# Altium PCB Stabiliser.PCBDOC (part 1 of 8) (continued)
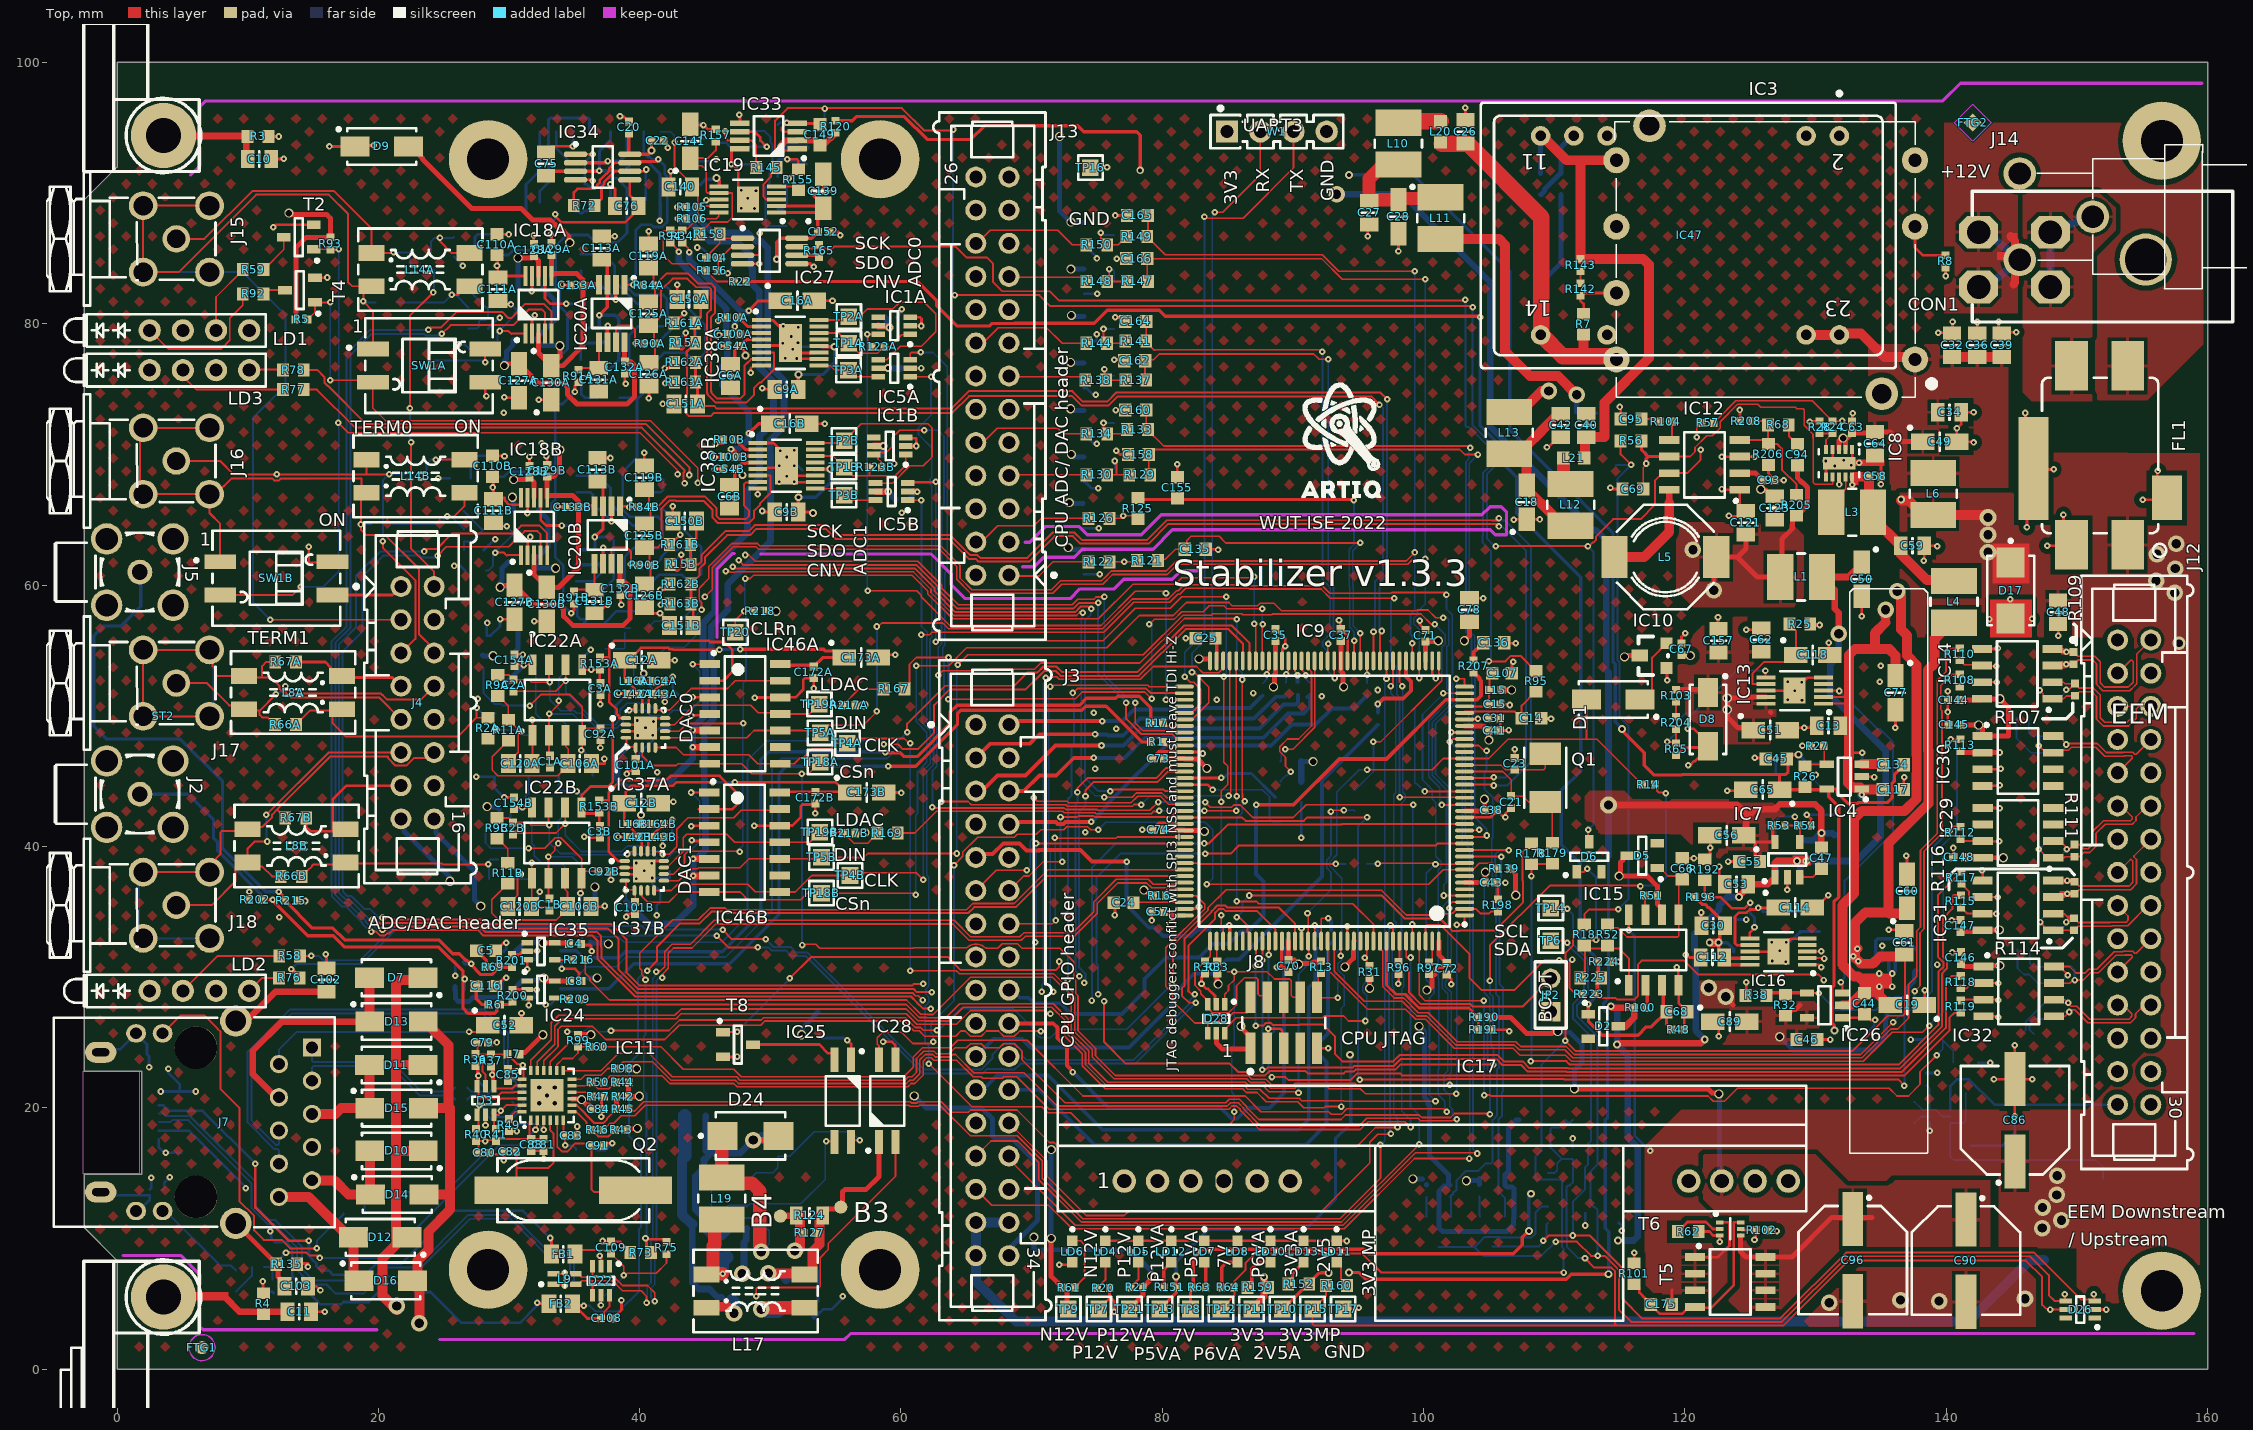
[diagram p0: Top view]
## Classes and differential pairs
net class HV: NetB3_1 NetB4_1 NetC105_2 NetC156_1 NetC156_2 NetIC17_3 NetIC25_3 NetIC25_4 POE_IN1 POE_IN2 POE_IN3 POE_IN4 POE_VC+ POE_VC-
net class SPI: PA0/UART4_TX QSPI_CLK QSPI_IO0 QSPI_IO1 QSPI_IO2 QSPI_IO3 QSPI_NCS SPI1_MISO SPI1_MOSI SPI1_NSS SPI1_SCK
net class Lpower: P2V5A P3V3A P5V0A P12V0A REF_VCC
net class Hpower: GNDF N12V0A N13V0S NetB3_1 NetC105_2 P3V3 P12V0A P12V0F P12V0FIL P12V0POE P13V0S
channel class ADC_1CH: ADC_1CH1 ADC_1CH2
component class ADC_1CH2: C6B C7B C9B C16B C54B C100B C137B C159B IC1B IC5B IC38B R10B R123B TP1B TP2B TP3B
component class ADC_1CH1: C6A C7A C9A C16A C54A C100A C137A C159A IC1A IC5A IC38A R10A R123A TP1A TP2A TP3A
channel class DAC_1CH: DAC_1CH0 DAC_1CH1
component class U_References: C20 C22 C75 C76 C104 C122 C139 C140 C141 C149 C152 C167 C168 IC19 IC27 IC33 IC34 IC42 R34 R72 R94 R105 R106 R120 R145 R154 R155 R156 R157 R158 R165 R219 RN3 RN4
component class U_AUX_Analog_IO: C135 C155 C158 C160 C162 C164 C165 C166 D23 D25 D27 D29 D31 D33 D34 D35 J13 R121 R122 R125 R126 R129 R130 R133 R134 R137 R138 R141 R144 R147 R148 R149 R150
component class EEM_connector: C144 C145 C146 C147 C148 D26 IC14 IC23 IC29 IC30 IC31 IC32 IC36 IC39 IC40 IC41 J12 R107 R108 R109 R110 R111 R112 R113 R114 R115 R116 R117 R118 R119 R173 R174 R175 R194 R195 R196 R197 T9 T10 T11
component class DAC_1CH1: C1B C2B C3B C12B C92B C97B C98B C99B C101B C106B C120B C138B C142B C143B C153B C154_2 C154B C172B C173B D21B IC22B IC37B IC46B L2B L8B L16B L18B R2B R9B R11B R66B R67B R153B R164B R172B R217B RN5B TP4B TP5B TP18B TP19B
component class DAC_1CH0: C1A C2A C3A C12A C92A C97A C98A C99A C101A C106A C120A C138A C142A C143A C153A C154_1 C154A C172A C173A D21A IC22A IC37A IC46A L2A L8A L16A L18A R2A R9A R11A R66A R67A R153A R164A R172A R217A RN5A TP4A TP5A TP18A TP19A
channel class Input_AFE: Input_AFE0 Input_AFE1
component class USB: C108 C109 D22 FB1 FB2 J9 L9 R73 R75 SB1 SB2 SB3 SB4
component class RMII_Ethernet: C52 C79 C80 C81 C82 C83 C84 C85 C87 C88 C91 C102 C103 D3 D7 D10 D11 D12 D13 D14 D15 D16 D24 IC11 J7 L7 Q2 R35 R36 R37 R39 R40 R41 R42 R43 R44 R45 R46 R47 R49 R50 R55 R60 R98 R99 R135 R198 R199 R212 R213 R220 R221 R222
component class Input_AFE1: C110B C111B C113B C119B C124B C125B C126B C127B C128B C129B C130B C131B C132B C133B C150B C151B D19B D20B IC18B IC20B L14B R15B R79B R80B R81B R82B R83B R84B R85B R86B R87B R88B R89B R90B R91B R161B R162B R163B R170B R171B RN1B RN2B SW1B
component class Input_AFE0: C110A C111A C113A C119A C124A C125A C126A C127A C128A C129A C130A C131A C132A C133A C150A C151A D19A D20A IC18A IC20A L14A R15A R79A R80A R81A R82A R83A R84A R85A R86A R87A R88A R89A R90A R91A R161A R162A R163A R170A R171A RN1A RN2A SW1A
component class CPU: C14 C15 C21 C23 C24 C25 C31 C35 C37 C38 C41 C43 C57 C67 C70 C71 C72 C73 C74 C78 C107 C136 D1 D28 IC9 IC10 J8 JP2 L15 Q1 R12 R13 R14 R16 R30 R31 R33 R95 R96 R97 R128 R131 R132 R136 R167 R169 R176 R177 R178 R179 R180 R181 R182 R183 R185 R186 R187 R188 R189 R207
component class Supply_Stabiliser: B3 B4 C13 C18 C19 C26 C27 C28 C29 C30 C32 C33 C34 C36 C39 C40 C42 C44 C45 C46 C47 C48 C49 C50 C51 C53 C55 C56 C58 C59 C60 C61 C62 C63 C64 C65 C66 C68 C69 C77 C86 C89 C90 C93 C94 C95 C96 C105 C112 C114 C115 C117 C118 C121 C123 C134 C156 C157 C169 C170 C171 C174 C175 CON1 D2 D4 D5 D6 D8 D9 D17 D18 FL1 IC3 IC4 IC7 IC8 IC12 IC13 IC15 IC16 IC17 IC25 IC26 IC28 IC43 IC44 IC45 IC47 J14 L1 L3 L4 L5 L6 L10 L11 L12 L13 L17 L19 L20 L21 LD4 LD5 LD6 LD7 LD8 LD10 LD11 LD12 LD13 R7 R8 R18 R19 R20 R21 R22 R24 R25 R26 R27 R28 R29 R32 R38 R48 R51 R52 R53 R54 R56 R57 R61 R62 R63 R64 R65 R68 R100 R101 R102 R103 R104 R124 R127 R139 R140 R142 R143 R146 R151 R152 R159 R160 R166 R168 R184 R190 R191 R192 R193 R204 R205 R206 R208 R210 R211 R223 R224 R225 R226 R227 T5 T6 T7 T8 TP7 TP8 TP9 TP10 TP11 TP12 TP13 TP16 TP17 TP21
component class Stabilizer: C4 C5 C8 C10 C11 C17 C116 C161 C163 D30 FTG1 FTG2 FTG3 FTG4 IC2 IC6 IC21 IC24 IC35 IC48 J2 J3 J4 J5 J15 J16 J17 J18 LD1 LD2 LD3 R1 R3 R4 R5 R6 R17 R23 R58 R59 R69 R70 R71 R74 R76 R77 R78 R92 R93 R200 R201 R202 R203 R209 R214 R215 R216 R218 ST2 T1 T2 T3 T4 TP6 TP14 TP15 TP20 W1 WASHER2 WASHER4 WASHER6 WASHER8
differential pair TD: +TD_P -TD_N
differential pair RD: +RD_P -RD_N
differential pair INB: +INB_P -INB_N
differential pair INA: +INA_P -INA_N
differential pair USBJ: +USBJ_P -USBJ_N
differential pair USB: +USB_P -USB_N
differential pair DAC_1: +DAC_1_P -DAC_1_N
differential pair DAC_0: +DAC_0_P -DAC_0_N
differential pair PHY_TD: +PHY_TD_P -PHY_TD_N
differential pair PHY_RD: +PHY_RD_P -PHY_RD_N
differential pair LVDS7: +LVDS7_P -LVDS7_N
differential pair LVDS6: +LVDS6_P -LVDS6_N
differential pair LVDS5: +LVDS5_P -LVDS5_N
differential pair LVDS4: +LVDS4_P -LVDS4_N
differential pair LVDS3: +LVDS3_P -LVDS3_N
differential pair LVDS2: +LVDS2_P -LVDS2_N
differential pair LVDS1: +LVDS1_P -LVDS1_N
differential pair LVDS0: +LVDS0_P -LVDS0_N

## Components (designator, comment, footprint, x,y, rotation, side; value= is the part's Value field where it differs from the comment)
B3 "SMD Pad" C100 55.398,12.396 r0 top
B4 "SMD Pad" C100 50.775,11.709 r0 top
C1A "3.3pF" CAPC1005X55N 33.152,46.49 r270 top (schematic designator C1)
C1B "3.3pF" CAPC1005X55N 33.107,35.552 r270 top (schematic designator C1)
C2A "10pF" CAPC1005X55N 30.353,52.32 r90 top (schematic designator C2)
C2B "10pF" CAPC1005X55N 30.308,41.382 r90 top (schematic designator C2)
C3A "10pF" CAPC1005X55N 37.002,52.06 r270 top (schematic designator C3)
C3B "10pF" CAPC1005X55N 36.957,41.122 r270 top (schematic designator C3)
C4 "100nF" CAPC1005X55N 35.05,32.536 r180 top
C5 "Undefined" CAPC1608X90N 28.247,32.023 r180 top
C6A "10uF" CAPC2012X95N 46.965,76.014 r90 top (schematic designator C6)
C6B "10uF" CAPC2012X95N 46.888,66.766 r90 top (schematic designator C6)
C7A "100nF" CAPC1005X55N 59.197,80.5 r180 bottom (schematic designator C7)
C7B "100nF" CAPC1005X55N 59.011,69.988 r180 bottom (schematic designator C7)
C8 "100nF" CAPC1005X55N 35.112,29.695 r180 top
C9A "10uF" CAPC2012X95N 51.246,74.986 r0 top (schematic designator C9)
C9B "10uF" CAPC2012X95N 51.25,65.593 r0 top (schematic designator C9)
C10 "Undefined" CAPC2012X135N 10.897,92.608 r0 top
C11 "Undefined" CAPC2012X135N 13.945,4.394 r0 top
C12A "10uF" CAPMP3216X180N 40.158,54.248 r0 top (schematic designator C12)
C12B "10uF" CAPMP3216X180N 40.113,43.31 r0 top (schematic designator C12)
C13 "22uF" CAPC2012X135N 130.988,49.241 r0 top
C14 "2.2uF" CAPC1608X90N 108.25,49.8 r180 top
C15 "100nF" CAPC1005X55N 105.449,50.871 r0 top
C16A "10uF" CAPMP3216X180N 52.077,81.776 r0 top (schematic designator C16)
C16B "10uF" CAPMP3216X180N 51.5,72.358 r0 top (schematic designator C16)
C17 "100nF" CAPC1005X55N 111.42,16.537 r270 bottom
C18 "10uF" CAPMP3216X180N 107.885,66.343 r90 top
C19 "10uF" CAPMP3216X180N 137,27.871 r180 top
C20 "100nF" CAPC1005X55N 39.171,95.025 r270 top
C21 "22pF" CAPC1005X55N 106.699,43.4 r90 top
C22 "100nF" CAPC1005X55N 41.363,94.001 r180 top
C23 "22pF" CAPC1005X55N 106.974,46.324 r270 top
C24 "2.2uF" CAPC1608X90N 77.048,35.684 r180 top
C25 "2.2uF" CAPC1608X90N 83.325,55.927 r180 top
C26 "22uF" CAPC2012X135N 103.2,94.691 r270 top
C27 "22uF" CAPC2012X135N 95.828,88.5 r90 top
C28 "10uF" CAPMP3216X180N 98.074,88.2 r270 top
C29 "1uF" CAPC1608X87N 112.434,73.191 r180 bottom
C30 "22uF" CAPC2012X135N 122.162,33.936 r0 top
C31 "100nF" CAPC1005X55N 105.409,49.8 r0 top
C32 "22uF" CAPC2012X135N 140.441,78.356 r270 top
C33 "4.7nF" CAPC3216X140N 52.693,6.891 r180 bottom
C34 "22uF" CAPC2012X135N 140.25,73.226 r180 top
C35 "100nF" CAPC1005X55N 88.659,56.175 r90 top
C36 "22uF" CAPC2012X135N 142.376,78.356 r270 top
C37 "100nF" CAPC1005X55N 93.659,56.175 r90 top
C38 "100nF" CAPC1005X55N 105.159,42.774 r0 top
C39 "22uF" CAPC2012X135N 144.241,78.356 r270 top
C40 "22uF" CAPC2012X135N 112.454,72.226 r270 top
C41 "100nF" CAPC1005X55N 105.409,48.871 r0 top
C42 "22uF" CAPC2012X135N 110.5,72.226 r90 top
C43 "100nF" CAPC1005X55N 105.159,37.227 r0 top
C44 "1uF" CAPC1608X87N 133.731,27.965 r90 top
C45 "1uF" CAPC1608X87N 126.992,46.696 r0 top
C46 "1uF" CAPC1608X87N 129.337,25.222 r180 top
C47 "10nF" CAPC1608X87N 130.442,39.096 r90 top
C48 "22uF" CAPC2012X135N 148.559,57.921 r90 top
C49 "10uF" CAPMP3216X180N 139.5,70.976 r0 top
C50 "10uF" CAPMP3216X180N 133.542,60.452 r270 top
C51 "10uF" CAPMP3216X180N 126.542,48.903 r0 top
C52 "10uF" CAPMP3216X180N 29.656,26.32 r0 top
C53 "22uF" CAPC2012X135N 123.942,37.096 r0 top
C54A "100nF" CAPC1005X55N 47.172,78.291 r0 top (schematic designator C54)
C54B "100nF" CAPC1005X55N 46.871,68.883 r0 top (schematic designator C54)
C55 "1uF" CAPC1608X87N 124.942,38.846 r0 top
C56 "10uF" CAPMP3216X180N 123.192,40.846 r180 top
C57 "100nF" CAPC1005X55N 79.633,35.002 r180 top
C58 "100nF" CAPC1005X55N 134.55,68.328 r180 top
C59 "22uF" CAPC2012X135N 137.414,63.017 r180 top
C60 "10uF" CAPMP3216X180N 137,36.561 r90 top
C61 "22uF" CAPC2012X135N 136.779,32.627 r270 top
C62 "22uF" CAPC2012X135N 125.848,55.801 r270 top
C63 "100nF" CAPC1005X55N 132.8,72.078 r270 top
C64 "22uF" CAPC2012X135N 134.55,70.828 r90 top
C65 "10uF" CAPMP3216X180N 125.942,44.346 r180 top
C66 "1uF" CAPC1608X87N 119.792,38.296 r270 top
C67 "100nF" CAPC1005X55N 119.736,55.096 r90 top
C68 "1uF" CAPC1608X87N 119.39,27.348 r180 top
C69 "1uF" CAPC1608X87N 116.021,67.353 r0 top
C70 "100nF" CAPC1005X55N 89.657,30.85 r270 top
C71 "100nF" CAPC1005X55N 100.129,56.125 r90 top
C72 "100nF" CAPC1005X55N 101.774,30.644 r270 top
C73 "100nF" CAPC1005X55N 79.683,46.727 r180 top
C74 "100nF" CAPC1005X55N 79.683,41.274 r180 top
C75 "47nF" CAPC2012X135N 32.834,92.236 r270 top
C76 "47nF" CAPC2012X135N 39.011,89.015 r0 top
C77 "10uF" CAPMP3216X180N 136.119,51.765 r270 top
C78 "10uF" CAPC2012X95N 103.5,58.098 r270 top
C79 "100nF" CAPC1005X55N 27.965,24.987 r0 top
C80 "100nF" CAPC1005X55N 28.098,16.545 r180 top
C81 "100nF" CAPC1005X55N 32.655,17.151 r90 top
C82 "30pF" CAPC1005X55N 30.067,16.641 r0 top
C83 "1nF" CAPC1005X55N 34.747,17.856 r180 top
C84 "100nF" CAPC1005X55N 36.82,19.895 r180 top
C85 "100nF" CAPC1005X55N 29.921,22.521 r270 top
C86 "220uF" CAPAE830X620N 145.25,19.045 r90 top
C87 "1uF" CAPC1608X87N 35.941,16.764 r180 bottom
C88 "100nF" CAPC1005X55N 31.705,17.151 r90 top
C89 "10uF" CAPMP3216X180N 123.442,26.596 r0 top
C90 "220uF" CAPAE830X620N 141.5,8.306 r270 top
C91 "30pF" CAPC1005X55N 36.77,17.094 r180 top
C92A "100nF" CAPC1005X55N 37.002,48.585 r90 top (schematic designator C92)
C92B "100nF" CAPC1005X55N 37.301,38.073 r180 top (schematic designator C92)
C93 "100nF" CAPC1005X55N 126.416,68.025 r180 top
C94 "150pF" CAPC1608X87N 128.6,69.99 r270 top
C95 "3.9nF" CAPC1608X87N 115.875,72.703 r0 top
C96 "220uF" CAPAE830X620N 132.842,8.336 r270 top
C97A "10uF" CAPMP3216X180N 35.096,45.419 r0 bottom (schematic designator C97)
C97B "10uF" CAPMP3216X180N 33.567,35.25 r0 bottom (schematic designator C97)
C98A "10uF" CAPMP3216X180N 29.607,56.136 r180 bottom (schematic designator C98)
C98B "10uF" CAPMP3216X180N 30.196,45.322 r180 bottom (schematic designator C98)
C99A "10uF" CAPMP3216X180N 42.938,50.322 r270 bottom (schematic designator C99)
C99B "10uF" CAPMP3216X180N 42.893,39.384 r270 bottom (schematic designator C99)
C100A "100nF" CAPC1005X55N 47.177,79.202 r0 top (schematic designator C100)
C100B "100nF" CAPC1005X55N 46.876,69.794 r0 top (schematic designator C100)
C101A "100nF" CAPC1005X55N 39.698,46.232 r90 top (schematic designator C101)
C101B "100nF" CAPC1005X55N 39.653,35.294 r90 top (schematic designator C101)
C102 "Undefined" CAPC2012X135N 16.03,29.78 r90 top
C103 "Undefined" CAPC2012X135N 13.716,6.35 r0 top
C104 "100nF" CAPC1005X55N 45.55,85.037 r0 top
C105 "4.7nF" CAPC3216X140N 52.146,4.547 r180 bottom
C106A "220pF" CAPC2013X100N 35.427,46.335 r180 top (schematic designator C106)
C106B "220pF" CAPC2013X100N 35.382,35.397 r180 top (schematic designator C106)
C107 "2.2uF" CAPC1608X90N 106.009,53.246 r180 top
C108 "100nF" CAPC1005X55N 37.5,3.875 r180 top
C109 "100nF" CAPC1005X55N 37.807,9.302 r270 top
C110A "18pF" CAPC1608X87N 29.081,86.064 r270 top (schematic designator C110)
C110B "18pF" CAPC1608X87N 28.747,69.099 r270 top (schematic designator C110)
C111A "82pF" CAPC2012X90N 29.151,82.644 r90 top (schematic designator C111)
C111B "82pF" CAPC2012X90N 28.817,65.679 r90 top (schematic designator C111)
C112 "22uF" CAPC2012X135N 122.106,31.506 r0 top
C113A "47nF" CAPC2012X135N 37.105,85.795 r270 top (schematic designator C113)
C113B "47nF" CAPC2012X135N 36.77,68.831 r270 top (schematic designator C113)
C114 "10uF" CAPMP3216X180N 128.446,35.325 r0 top
C115 "10uF" CAPMP3216X180N 123.723,33.249 r90 bottom
C116 "Undefined" CAPC1608X90N 28.247,29.321 r180 top
C117 "1uF" CAPC1608X87N 135.942,44.346 r180 top
C118 "10uF" CAPMP3216X180N 129.795,54.654 r0 top
C119A "2.2nF" CAPC2013X100N 40.692,85.189 r270 top (schematic designator C119)
C119B "2.2nF" CAPC2013X100N 40.358,68.224 r270 top (schematic designator C119)
C120A "220pF" CAPC2013X100N 30.852,46.335 r0 top (schematic designator C120)
C120B "220pF" CAPC2013X100N 30.807,35.397 r0 top (schematic designator C120)
C121 "22uF" CAPC2012X135N 124.663,64.767 r270 top
C122 "10uF" CAPC2012X95N 44.653,91.542 r270 bottom
C123 "22uF" CAPC2012X135N 126.884,65.893 r90 top
C124A "18pF" CAPC1608X87N 27.766,78.074 r0 bottom (schematic designator C124)
C124B "18pF" CAPC1608X87N 27.432,61.11 r0 bottom (schematic designator C124)
C125A "2.2nF" CAPC2013X100N 40.692,80.754 r90 top (schematic designator C125)
C125B "2.2nF" CAPC2013X100N 40.358,63.789 r90 top (schematic designator C125)
C126A "2.2nF" CAPC2013X100N 40.714,76.143 r270 top (schematic designator C126)
C126B "2.2nF" CAPC2013X100N 40.379,59.178 r270 top (schematic designator C126)
C127A "10uF" CAPMP3216X180N 30.761,75.643 r270 top (schematic designator C127)
C127B "10uF" CAPMP3216X180N 30.427,58.678 r270 top (schematic designator C127)
C128A "100nF" CAPC1005X55N 31.901,85.639 r270 top (schematic designator C128)
C128B "100nF" CAPC1005X55N 31.567,68.674 r270 top (schematic designator C128)
C129A "100nF" CAPC1005X55N 33.261,85.714 r270 top (schematic designator C129)
C129B "100nF" CAPC1005X55N 32.927,68.749 r270 top (schematic designator C129)
C130A "10uF" CAPMP3216X180N 33.236,75.489 r90 top (schematic designator C130)
C130B "10uF" CAPMP3216X180N 32.902,58.524 r90 top (schematic designator C130)
C131A "47nF" CAPC2012X135N 36.88,75.714 r90 top (schematic designator C131)
C131B "47nF" CAPC2012X135N 36.545,58.749 r90 top (schematic designator C131)
C132A "100nF" CAPC1005X55N 38.867,76.668 r90 top (schematic designator C132)
C132B "100nF" CAPC1005X55N 38.533,59.703 r90 top (schematic designator C132)
C133A "100nF" CAPC1005X55N 35.207,82.939 r0 top (schematic designator C133)
C133B "100nF" CAPC1005X55N 34.872,65.974 r0 top (schematic designator C133)
C134 "10nF" CAPC1608X87N 135.957,46.253 r0 top
C135 "82pF" CAPC1608X87N 82.525,62.747 r180 top
C136 "150pF" CAPC1608X87N 105.356,55.592 r0 top
C137A "100nF" CAPC1005X55N 53.391,78.232 r0 bottom (schematic designator C137)
C137B "100nF" CAPC1005X55N 52.89,68.809 r0 bottom (schematic designator C137)
C138A "10uF" CAPMP3216X180N 40.234,45.771 r90 bottom (schematic designator C138)
C138B "10uF" CAPMP3216X180N 40.278,35.764 r0 bottom (schematic designator C138)
C139 "10uF" CAPMP3216X180N 54.046,90.13 r90 top
C140 "10uF" CAPC2012X95N 43.109,90.476 r0 top
C141 "10uF" CAPMP3216X180N 43.873,93.98 r90 top
C142A "100nF" CAPC1005X55N 39.517,51.65 r0 top (schematic designator C142)
C142B "100nF" CAPC1005X55N 39.473,40.712 r0 top (schematic designator C142)
C143A "100nF" CAPC1005X55N 41.448,51.65 r180 top (schematic designator C143)
C143B "100nF" CAPC1005X55N 41.403,40.712 r180 top (schematic designator C143)
C144 "100nF" CAPC1005X55N 140.576,51.206 r0 top
C145 "100nF" CAPC1005X55N 140.626,49.296 r0 top
C146 "100nF" CAPC1005X55N 141.127,31.472 r270 top
C147 "100nF" CAPC1005X55N 141.086,33.921 r270 top
C148 "100nF" CAPC1005X55N 140.985,39.176 r0 top
C149 "1uF" CAPC1608X87N 53.8,94.461 r270 top
C150A "2.2nF" CAPC2013X100N 43.777,81.869 r0 top (schematic designator C150)
C150B "2.2nF" CAPC2013X100N 43.443,64.904 r0 top (schematic designator C150)
C151A "2.2nF" CAPC2013X100N 43.527,73.864 r0 top (schematic designator C151)
C151B "2.2nF" CAPC2013X100N 43.193,56.899 r0 top (schematic designator C151)
C152 "100nF" CAPC1005X55N 54.085,87.03 r180 top
C153A "10uF" CAPC2012X95N 39.748,56.717 r0 bottom (schematic designator C153)
C153B "10uF" CAPC2012X95N 40.648,54.593 r0 bottom (schematic designator C153)
C154A "100nF" CAPC1005X55N 30.416,54.248 r270 top (schematic designator C154)
C154B "100nF" CAPC1005X55N 30.371,43.31 r270 top (schematic designator C154)
C155 "82pF" CAPC1608X87N 81.153,67.462 r270 top
C156 "4.7nF" CAPC3216X140N 46.282,6.997 r90 bottom
C157 "22uF" CAPC2012X135N 122.576,55.74 r270 top
C158 "82pF" CAPC1608X87N 78.175,69.995 r0 top
C159A "100nF" CAPC1005X55N 60.427,76.6 r180 bottom (schematic designator C159)
C159B "100nF" CAPC1005X55N 60.027,66.548 r180 bottom (schematic designator C159)
C160 "82pF" CAPC1608X87N 77.975,73.4 r0 top
C161 "100nF" CAPC1005X55N 30.042,31.957 r0 bottom
C162 "82pF" CAPC1608X87N 77.9,77.174 r0 top
C163 "100nF" CAPC1005X55N 29.94,29.1 r0 bottom
C164 "82pF" CAPC1608X87N 77.963,80.189 r0 top
C165 "390pF" CAPC1608X87N 78.1,88.291 r0 top
C166 "390pF" CAPC1608X87N 78.05,84.991 r0 top
C167 "10uF" CAPC2012X95N 51.25,88.376 r270 bottom
C168 "1uF" CAPC1608X87N 43.898,94.951 r270 bottom
C169 "1uF" CAPC1608X87N 127.892,45.474 r0 bottom
C170 "10nF" CAPC1608X87N 137.674,31.318 r270 bottom
C171 "1uF" CAPC1608X87N 131.445,41.671 r270 bottom
C172A "100nF" CAPC1005X55N 53.325,53.333 r90 top (schematic designator C172)
C172B "100nF" CAPC1005X55N 53.447,43.727 r90 top (schematic designator C172)
C173A "10uF" CAPMP3216X180N 56.952,54.46 r0 top (schematic designator C173)
C173B "10uF" CAPMP3216X180N 57.379,44.13 r0 top (schematic designator C173)
C174 "1uF" CAPC1608X87N 134.55,25.545 r0 bottom
C175 "100nF" CAPC1608X87N 118.199,4.96 r0 top
CON1 "MRX56904CV" MRX56904CV 147.971,87.016 r90 top
D1 "SS16" DIOM5127X229N 114.51,51.238 r180 top
D2 "BAV199" SOT95P240X110-3N 113.748,26.223 r0 top
D3 "DRTR5V0U4S-7" SOT65P210X110-6N 28.195,20.555 r90 top
D4 "BAV199" SOT95P240X110-3N 115.875,69.203 r180 bottom
D5 "BAV199" SOT95P240X110-3N 116.739,39.301 r180 top
D6 "BAV199" SOT95P240X110-3N 112.664,39.209 r90 top
D7 "SS16" DIOM5127X229N 21.377,29.95 r180 top
D8 "SS16" DIOM5127X229N 121.76,49.727 r270 top
D9 "SS16" DIOM5127X229N 20.261,93.571 r0 top
D10 "SS16" DIOM5127X229N 21.396,16.701 r180 top
D11 "SS16" DIOM5127X229N 21.377,23.265 r180 top
D12 "SS16" DIOM5127X229N 20.147,10.084 r180 top
D13 "SS16" DIOM5127X229N 21.396,26.596 r0 top
D14 "SS16" DIOM5127X229N 21.451,13.36 r0 top
D15 "SS16" DIOM5127X229N 21.401,19.965 r0 top
D16 "SS16" DIOM5127X229N 20.567,6.756 r0 top
D17 "SMBJ15A" DIOM5336X265N 144.924,59.585 r270 top
D18 "SS16" DIOM5127X229N 109.366,19.075 r180 bottom
D19A "BAV199" SOT95P240X110-3N 31.639,83.874 r90 bottom (schematic designator D19)
D19B "BAV199" SOT95P240X110-3N 31.304,66.909 r90 bottom (schematic designator D19)
D20A "BAV199" SOT95P240X110-3N 31.243,79.909 r90 bottom (schematic designator D20)
D20B "BAV199" SOT95P240X110-3N 30.909,62.944 r90 bottom (schematic designator D20)
D21A "BAV199" SOT95P240X110-3N 28.981,51.309 r270 bottom (schematic designator D21)
D21B "BAV199" SOT95P240X110-3N 29.157,40.159 r270 bottom (schematic designator D21)
D22 "DRTR5V0U4S-7" SOT65P210X110-6N 37.038,6.756 r270 top
D23 "BAV199" SOT95P240X110-3N 75.15,61.777 r0 bottom
D24 "SMBJ60A" DIOM5336X265N 48.488,17.845 r0 top
D25 "BAV199" SOT95P240X110-3N 75.075,65.306 r0 bottom
D26 "DRTR5V0U4S-7" SOT65P210X110-6N 150.259,4.558 r180 top
D27 "BAV199" SOT95P240X110-3N 75.15,68.862 r0 bottom
D28 "DRTR5V0U4S-7" SOT65P210X110-6N 84.131,26.819 r270 top
D29 "BAV199" SOT95P240X110-3N 75.15,72.412 r0 bottom
D30 "DRTR5V0U4S-7" SOT65P210X110-6N 25.882,30.096 r270 bottom
D31 "BAV199" SOT95P240X110-3N 75.15,76.034 r0 bottom
D33 "BAV199" SOT95P240X110-3N 75.175,79.605 r0 bottom
D34 "BAV199" SOT95P240X110-3N 75.175,86.791 r0 bottom
D35 "BAV199" SOT95P240X110-3N 75.175,83.241 r0 bottom
FB1 "220R@100MHz" INDC2012X105N 34.15,8.799 r180 top
FB2 "220R@100MHz" INDC2012X105N 33.972,5 r180 top
FL1 "10A/50VDC" FIL_MURATA_BNX02 151.779,69.928 r270 top
FTG1 "Use only in PCB" FIDUCIAL_TOP_C100-200 6.5,1.646 r90 top
FTG2 "Use only in PCB" FIDUCIAL_TOP_S100-200 142.032,95.402 r90 top
FTG3 "Use only in PCB" FIDUCIAL_TOP_S100-200 14.5,94 r90 bottom
FTG4 "Use only in PCB" FIDUCIAL_TOP_S100-200 148.296,18.028 r90 bottom
IC1A "SN74AUC2G34DCKR" DCK0006A_M 59.476,79.854 r180 top (schematic designator IC1)
IC1B "SN74AUC2G34DCKR" DCK0006A_M 59.131,70.647 r180 top (schematic designator IC1)
IC2 "SN74LVC1G125DCKT" SOT65P210X110-5N 32.842,32.023 r180 bottom
IC3 "CC6-1212DF-E" CC6-1212DF-E 135.07,74.646 r180 top locked
IC4 "LT1761ES5-BYP#TRMPBF" SOT95P280X100-5N 132.192,45.346 r180 top
IC5A "SN74AUC2G34DCKR" DCK0006A_M 59.476,76.6 r180 top (schematic designator IC5)
IC5B "SN74AUC2G34DCKR" DCK0006A_M 59.284,67.158 r180 top (schematic designator IC5)
IC6 "24AA02E48T-I/OT" SOT95P280X145-5N 112.37,13.233 r90 bottom
IC7 "LT1761ES5-BYP#TRMPBF" SOT95P280X100-5N 127.842,38.995 r90 top
IC8 "TPS62175DQC" SON50P200X300X80-11N-R94X250 131.8,69.328 r270 top
IC9 "STM32H743ZIT6" TSQFP50P2200X2200X160-144N 92.409,43.477 r180 top locked
IC10 "STM809SWX6F" SOT-23 118.588,53.646 r90 top
IC11 "LAN8742A-CZ-TR" QFN24_0R5_4X4 32.905,20.945 r90 top
IC12 "NCP3170ADR2G" SOIC127P600X175-8N 121.499,69.203 r180 top
IC13 "LT3042EMSE#PBF" SOP50P490X110-11N-R168X198 128.391,51.923 r180 top
IC14 "FIN1028MX" SOIC127P600X175-8N 145.432,53.206 r180 top
IC15 "LM393AD" SOIC127P600X175-8N 117.609,32.079 r90 top
IC16 "LT3042EMSE#PBF" SOP50P490X110-11N-R168X198 127.162,31.948 r180 top
IC17 "AG5300" SILVERTEL_AG5300 102.5,14.391 r0 top locked
IC18A "AD8250ARMZ" SOP50P490X110-10N 32.261,81.459 r90 top (schematic designator IC18)
IC18B "AD8250ARMZ" SOP50P490X110-10N 31.927,64.495 r90 top (schematic designator IC18)
IC19 "LT3042EMSE#PBF" SOP50P490X110-11N-R168X198 48.287,89.515 r180 top
IC20A "OPA2197IDGKR" SOP65P490X110-8N 37.855,80.801 r270 top (schematic designator IC20)
IC20B "OPA2197IDGKR" SOP65P490X110-8N 37.52,63.836 r270 top (schematic designator IC20)
IC21 "SN74LVC1G125DCKT" SOT65P210X110-5N 32.842,29.1 r180 bottom
IC22A "OPA2197ID" SOIC127P600X175-8N 33.702,51.21 r90 top (schematic designator IC22)
IC22B "OPA2197ID" SOIC127P600X175-8N 33.657,40.272 r90 top (schematic designator IC22)
IC23 "FIN1027AMX" SOIC127P600X175-8N 145.432,53.206 r0 bottom
IC24 "74LVC1G14GW" SOT65P212X110-5N 32.444,29.045 r0 top
IC25 "ACPL-217-500E" SOIC127P700X242-4N 55.55,20.524 r270 top
IC26 "LT1964ES5-SD#TRMPBF" SOT95P280X100-5N 130.692,27.846 r180 top
IC27 "ADA4528-2ARMZ-RL" ADI-RM-8_N 49.955,85.575 r0 top
IC28 "ACPL-217-500E" SOIC127P700X242-4N 58.947,20.524 r90 top
IC29 "FIN1028MX" SOIC127P600X175-8N 145.493,41.041 r180 top
IC30 "FIN1027AMX" SOIC127P600X175-8N 145.483,46.541 r0 top
IC31 "FIN1028MX" SOIC127P600X175-8N 145.483,35.485 r180 top
IC32 "FIN1027AMX" SOIC127P600X175-8N 145.543,28.906 r0 top
IC33 "LTC6655BHMS8-4.096#PBF" SOP65P490X110-8N 49.875,94.371 r180 top
IC34 "ADA4528-2ARMZ-RL" ADI-RM-8_N 37.171,92.001 r0 top
IC35 "74LVC1G14GW" SOT65P212X110-5N 32.444,31.973 r0 top
IC36 "FIN1027AMX" SOIC127P600X175-8N 145.492,41.041 r0 bottom
IC37A "AD5542ABCPZ-REEL7" QFN50P300X300X80-17N-S175 40.448,49.07 r0 top (schematic designator IC37)
IC37B "AD5542ABCPZ-REEL7" QFN50P300X300X80-17N-S175 40.353,38.132 r0 top (schematic designator IC37)
IC38A "LTC2310HMSE-16#PBF" SOP50P490X110-17N-R175X290 51.537,78.544 r0 top (schematic designator IC38)
IC38B "LTC2310HMSE-16#PBF" SOP50P490X110-17N-R175X290 51.239,69.133 r0 top (schematic designator IC38)
IC39 "FIN1028MX" SOIC127P600X175-8N 145.491,46.541 r180 bottom
IC40 "FIN1027AMX" SOIC127P600X175-8N 145.483,35.485 r0 bottom
IC41 "FIN1028MX" SOIC127P600X175-8N 145.543,28.906 r180 bottom
IC42 "LTC6655CHLS8-4.096" LCCS127P500X500X145-8N 50.564,93.472 r180 bottom
IC43 "LT1761ES5-SD#TRMPBF" SOT95P280X100-5N 132.192,45.346 r180 bottom
IC44 "LT1964EDD#PBF" LT-DD-8_V 135.357,29.777 r90 bottom
IC45 "LT1761ES5-SD#TRMPBF" SOT95P280X100-5N 127.892,39.136 r90 bottom
IC46A "DAC8831IBD" SOIC127P600X175-14N 48.07,50.141 r0 top (schematic designator IC46)
IC46B "DAC8831IBD" SOIC127P600X175-14N 48.031,40.32 r0 top (schematic designator IC46)
IC47 "JHM0612D12" DCDC_XPPOWER_JHM0X 120.262,86.768 r180 top
IC48 "24AA02E48-I/SN" SOIC127P600X175-8N 112.229,13.091 r180 bottom
J2 "MCX" AMPHENOL_919-383J-51A 1.75,44 r180 top locked
J3 "Use original!" 3M_N2534-6002RB 67,29 r270 top locked
J4 "Use original!" 3M_N2516-6002RB 23,51 r270 top locked
J5 "MCX" AMPHENOL_919-383J-51A 1.75,61 r180 top locked
J7 "RJ45" ABRACON_ARJM11C7-114-BA-EW2 6.04,18.895 r270 top locked
J8 "Header 10" HARWIN_M50-3600542 89.296,26.514 r0 top locked
J9 "USB" UJ2-MIBH-4-MSMT -1.5,18.895 r270 bottom locked
J12 "IDC" 3M_N2530-6002RB 154.384,38.018 r270 top locked
J13 "Use original!" 3M_N2526-6002RB 67,76 r90 top locked
J14 "Jack" SWITCHCRAFT_L712RA 145.617,84.9 r180 top
J15 "SMA" DELOCK_65848 4.54,86.5 r180 top locked
J16 "SMA" DELOCK_65848 4.54,69.5 r180 top locked
J17 "SMA" DELOCK_65848 4.54,52.5 r180 top locked
J18 "SMA" DELOCK_65848 4.54,35.5 r180 top locked
JP2 "1798942 (goldpin 2x 2.54)" jump 109.728,27.359 r180 top
L1 "10uH" IND_MURATA-PS_8400 128.892,60.624 r0 top
L2A "600R@100MHz" INDC1005X55N 30.707,58.184 r270 bottom (schematic designator L2)
L2B "600R@100MHz" INDC1005X55N 29.747,42.782 r0 bottom (schematic designator L2)
L3 "10uH" IND_MURATA-PS_8400 132.8,65.578 r0 top
L4 "10uH" IND_MURATA-PS_8400 140.59,58.725 r270 top
L5 "4.7uH" IND_BOURNS_SRU8043 118.5,62.145 r0 top
L6 "10uH" IND_MURATA-PS_8400 139,66.976 r90 top
L7 "600R@100MHz" INDC1005X55N 30.341,24.095 r0 top
L8A "2x6.5mH" IND_WURTH_WE-SL2 13.475,51.78 r180 top (schematic designator L8)
L8B "2x6.5mH" IND_WURTH_WE-SL2 13.739,40.042 r180 top (schematic designator L8)
L9 "90R@100MHz" IND_MURATA_DLW21S 34.264,6.891 r0 top
L10 "10uH" IND_MURATA-PS_8400 98.074,93.791 r270 top
L11 "10uH" IND_MURATA-PS_8400 101.3,88.086 r270 top
L12 "10uH" IND_MURATA-PS_8400 111.25,66.144 r270 top
L13 "10uH" IND_MURATA-PS_8400 106.553,71.658 r90 top
L14A "2x6.5mH" IND_WURTH_WE-SL2 23.221,84.144 r0 top (schematic designator L14)
L14B "2x6.5mH" IND_WURTH_WE-SL2 22.851,68.338 r0 top (schematic designator L14)
L15 "600R@100MHz" INDC1005X55N 105.509,51.973 r180 top
L16A "600R@100MHz" INDC1005X55N 39.583,52.642 r180 top (schematic designator L16)
L16B "600R@100MHz" INDC1005X55N 39.538,41.704 r180 top (schematic designator L16)
L17 "2x1mH" IND_WURTH_WE-SL2 48.87,5.974 r0 top
L18A "600R@100MHz" INDC1005X55N 27.986,54.175 r270 bottom (schematic designator L18)
L18B "600R@100MHz" INDC1005X55N 36.489,35.387 r270 bottom (schematic designator L18)
L19 "10uH" IND_MURATA-PS_8400 46.279,13.056 r270 top
L20 "120R@100MHz" INDC1608X95N 101.3,94.691 r90 top
L21 "120R@100MHz" INDC1608X95N 111.5,69.725 r180 top
LD1 "Green/Green" LED_DIALIGHT_571-0122F 2.5,79.5 r0 top locked
LD2 "Red/Green" LED_DIALIGHT_571-0112F 2.5,28.95 r0 top locked
LD3 "Red/Green" LED_DIALIGHT_571-0112F 2.5,76.449 r0 top locked
LD4 "Green" LED_KINGBRIGHT_KPH-1608CGCK 75.648,8.998 r270 top
LD5 "Green" LED_KINGBRIGHT_KPH-1608CGCK 78.175,8.998 r270 top
LD6 "Green" LED_KINGBRIGHT_KPH-1608CGCK 73.122,8.998 r270 top
LD7 "Green" LED_KINGBRIGHT_KPH-1608CGCK 83.228,8.998 r270 top
LD8 "Green" LED_KINGBRIGHT_KPH-1608CGCK 85.755,8.998 r270 top
LD10 "Green" LED_KINGBRIGHT_KPH-1608CGCK 88.281,8.998 r270 top
LD11 "Green" LED_KINGBRIGHT_KPH-1608CGCK 93.334,8.998 r270 top
LD12 "Green" LED_KINGBRIGHT_KPH-1608CGCK 80.701,8.998 r270 top
LD13 "Green" LED_KINGBRIGHT_KPH-1608CGCK 90.808,8.998 r270 top
Q1 "8MHz" XTAL_TXC_7A 109.314,45.25 r270 top
Q2 "25MHz" XTAL_ABRACON_ABLS 34.922,13.676 r180 top
R1 "51" RESC1005X40N 79.585,48 r0 top
R2A "30" RESC1608X55N 28.392,49.05 r90 top (schematic designator R2)
R2B "30" RESC1608X55N 29.257,37.5 r180 bottom (schematic designator R2)
R3 "0" RESC1608X55N 10.795,94.336 r180 top
R4 "0" RESC1608X55N 11.201,5 r270 top
R5 "10k" RESC1005X40N 14.12,80.334 r0 top
R6 "51" RESC1005X40N 28.867,27.898 r0 top
R7 "Undefined" RESC1608X55N 112.25,79.976 r270 top
R8 "0" RESC1005X40N 139.95,84.78 r90 top
R9A "560" RESC1608X55N 29.142,52.32 r270 top (schematic designator R9)
R9B "560" RESC1608X55N 29.097,41.382 r270 top (schematic designator R9)
R10A "0" RESC1005X40N 47.127,80.481 r0 top (schematic designator R10)
R10B "0" RESC1005X40N 46.85,71.133 r0 top (schematic designator R10)
R11A "1k58" RESC1608X55N 29.952,48.895 r270 top (schematic designator R11)
R11B "1k58" RESC1608X55N 29.907,37.957 r270 top (schematic designator R11)
R12 "49R9" RESC1005X40N 95.676,52.037 r90 bottom
R13 "10k" RESC1005X40N 92.159,30.754 r270 top
R14 "0" RESC1005X40N 117.209,44.727 r0 top
R15A "220" RESC1608X64N 43.468,78.549 r180 top (schematic designator R15)
R15B "220" RESC1608X64N 43.134,61.585 r180 top (schematic designator R15)
R16 "10k" RESC1005X40N 79.783,36.227 r0 top
R17 "51" RESC1005X40N 79.585,49.444 r0 top
R18 "2k7" RESC1608X55N 112.295,33.227 r90 top
R19 "30" RESC1608X55N 44.25,17.845 r180 bottom
R20 "10k" RESC1005X40N 75.494,6.2 r0 top
R21 "10k" RESC1005X40N 78.038,6.25 r0 top
R22 "10k" RESC1005X40N 47.701,83.236 r0 top
R23 "2k4" RESC1005X40N 102.005,13.624 r270 bottom
R24 "33k" RESC1005X40N 131.3,72.078 r90 top
R25 "120k" RESC1608X55N 128.792,57.021 r180 top
R26 "24k" RESC1608X55N 129.192,45.346 r270 top
R27 "5k1" RESC1005X40N 130.137,47.687 r0 top
R28 "5k1" RESC1005X40N 130.3,72.078 r270 top
R29 "30" RESC1608X55N 44.25,19.393 r180 bottom
R30 "10k" RESC1005X40N 83.274,30.736 r90 top
R31 "10k" RESC1005X40N 95.869,30.39 r90 top
R32 "24k" RESC1608X55N 127.692,27.846 r270 top
R33 "10k" RESC1005X40N 84.203,30.736 r90 top
R34 "0" RESC1005X40N 43.26,86.695 r270 top
R35 "220" RESC1608X55N 18.136,11.913 r180 bottom
R36 "49R9" RESC1005X40N 27.427,23.668 r90 top
R37 "49R9" RESC1005X40N 28.616,23.616 r90 top
R38 "2k7" RESC1608X55N 125.442,28.596 r0 top
R39 "220" RESC1608X55N 9.09,6.756 r90 bottom
R40 "49R9" RESC1005X40N 27.483,17.919 r90 top
R41 "49R9" RESC1005X40N 28.997,17.929 r90 top
R42 "10k" RESC1005X40N 38.691,20.855 r180 top
R43 "10k" RESC1005X40N 38.583,18.313 r180 top
R44 "10k" RESC1005X40N 38.681,21.945 r180 top
R45 "33" RESC1005X40N 38.691,19.895 r180 top
R46 "33" RESC1005X40N 36.754,18.313 r180 top
R47 "10k" RESC1005X40N 36.831,20.855 r0 top
R48 "62k" RESC1005X40N 119.475,25.982 r180 top
R49 "12k1" RESC1005X40N 29.987,18.669 r270 top
R50 "33" RESC1005X40N 36.788,21.946 r180 top
R51 "5k1" RESC1005X40N 117.419,36.239 r180 top
R52 "24k" RESC1608X55N 114.075,33.227 r270 top
R53 "51k" RESC1005X40N 127.192,41.596 r180 top
R54 "47k" RESC1005X40N 129.192,41.596 r180 top
R55 "10k" RESC1005X40N 11.887,6.391 r270 bottom
R56 "24k" RESC1608X55N 115.875,71.043 r180 top
R57 "5k1" RESC1005X40N 121.742,72.415 r0 top
R58 "220" RESC1608X55N 13.211,31.625 r0 top
R59 "220" RESC1608X55N 10.42,84.144 r0 top
R60 "33" RESC1005X40N 36.701,24.66 r180 top
R61 "10k" RESC1005X40N 72.834,6.241 r180 top
R62 "1k3" RESC1608X55N 120.252,10.526 r0 top
R63 "5k1" RESC1005X40N 82.845,6.25 r0 top
R64 "5k1" RESC1005X40N 85.019,6.25 r180 top
R65 "1k5" RESC1005X40N 119.329,47.434 r90 top
R66A "0" RESC1608X55N 12.892,49.321 r180 top (schematic designator R66)
R66B "0" RESC1608X55N 13.335,37.704 r180 top (schematic designator R66)
R67A "0" RESC1608X55N 12.903,54.12 r180 top (schematic designator R67)
R67B "0" RESC1608X55N 13.68,42.182 r180 top (schematic designator R67)
R68 "1k" RESC1608X55N 127.152,72.263 r0 top
R69 "51" RESC1005X40N 28.753,30.76 r0 top
R70 "82k" RESC1608X55N 104.281,13.668 r90 bottom
R71 "82k" RESC1608X55N 100.205,13.624 r90 bottom
R72 "24k" RESC1608X55N 35.765,89.04 r180 top
R73 "24k" RESC1608X55N 40.072,8.914 r180 top
R74 "2k4" RESC1005X40N 106.23,13.574 r270 bottom
R75 "10k" RESC1005X40N 42.051,9.272 r90 top
R76 "220" RESC1608X55N 13.192,29.94 r0 top
R77 "220" RESC1608X55N 13.5,74.969 r0 top
R78 "220" RESC1608X55N 13.5,76.449 r0 top
R79A "Undefined" RESC1608X55N 23.222,85.414 r0 bottom (schematic designator R79)
R79B "Undefined" RESC1608X55N 22.887,68.449 r0 bottom (schematic designator R79)
R80A "0" RESC1608X55N 26.601,86.644 r0 bottom (schematic designator R80)
R80B "0" RESC1608X55N 26.267,69.679 r0 bottom (schematic designator R80)
R81A "1k8" RESC1608X55N 29.081,86.064 r270 bottom (schematic designator R81)
R81B "1k8" RESC1608X55N 28.747,69.099 r270 bottom (schematic designator R81)
R82A "100k" RESC1608X55N 26.601,85.144 r0 bottom (schematic designator R82)
R82B "100k" RESC1608X55N 26.267,68.179 r0 bottom (schematic designator R82)
R83A "49R9" RESC6331X70N 24.247,80.274 r90 bottom (schematic designator R83)
R83B "49R9" RESC6331X70N 14.62,65.029 r90 bottom (schematic designator R83)
R84A "51" RESC1005X40N 40.692,82.939 r0 top (schematic designator R84)
R84B "51" RESC1005X40N 40.358,65.974 r0 top (schematic designator R84)
R85A "24k" RESC1608X55N 37.68,74.345 r180 bottom (schematic designator R85)
R85B "24k" RESC1608X55N 36.576,57.105 r180 bottom (schematic designator R85)
R86A "Undefined" RESC1608X55N 20.601,81.644 r0 bottom (schematic designator R86)
R86B "Undefined" RESC1608X55N 20.267,64.679 r0 bottom (schematic designator R86)
R87A "0" RESC1608X55N 26.901,80.434 r270 bottom (schematic designator R87)
R87B "0" RESC1608X55N 26.567,63.47 r270 bottom (schematic designator R87)
R88A "1k8" RESC1608X55N 27.651,82.644 r0 bottom (schematic designator R88)
R88B "1k8" RESC1608X55N 27.317,65.679 r0 bottom (schematic designator R88)
R89A "100k" RESC1608X55N 28.401,80.434 r90 bottom (schematic designator R89)
R89B "100k" RESC1608X55N 28.067,63.47 r90 bottom (schematic designator R89)
R90A "51" RESC1005X40N 40.763,78.486 r0 top (schematic designator R90)
R90B "51" RESC1005X40N 40.386,61.515 r0 top (schematic designator R90)
R91A "2k4" RESC1005X40N 35.305,76.004 r90 top (schematic designator R91)
R91B "2k4" RESC1005X40N 34.971,59.04 r90 top (schematic designator R91)
R92 "220" RESC1608X55N 10.42,82.294 r0 top
R93 "10k" RESC1005X40N 16.332,86.143 r270 top
R94 "0" RESC1005X40N 42.343,86.695 r270 top
R95 "30" RESC1608X55N 108.61,52.636 r270 top
R96 "10k" RESC1005X40N 98.089,30.706 r270 top
R97 "0" RESC1005X40N 100.405,30.68 r270 top
R98 "1k5" RESC1005X40N 38.681,23.001 r180 top
R99 "10k" RESC1005X40N 35.286,25.13 r270 top
R100 "2k4" RESC1005X40N 116.58,27.648 r180 top
R101 "82k" RESC1608X55N 116.116,7.3 r270 top
R102 "33k" RESC1005X40N 125.885,10.626 r180 top
R103 "5k1" RESC1005X40N 119.329,51.533 r90 top
R104 "10k" RESC1005X40N 118.541,72.508 r0 top
R105 "0" RESC1005X40N 44.018,88.933 r180 top
R106 "0" RESC1005X40N 44.044,88.045 r180 top
R107 "100" RESC1005X40N 149.86,51.999 r90 top
R108 "100" RESC1005X40N 141.035,52.706 r270 top
R109 "100" RESC1005X40N 149.732,54.413 r90 top
R110 "100" RESC1005X40N 141.035,54.706 r270 top
R111 "100" RESC1005X40N 149.811,39.676 r90 top
R112 "100" RESC1005X40N 141.086,41.041 r270 top
R113 "100" RESC1005X40N 141.086,47.741 r270 top
R114 "100" RESC1005X40N 149.783,34.041 r90 top
R115 "100" RESC1005X40N 141.126,35.798 r270 top
R116 "100" RESC1005X40N 149.811,36.835 r90 top
R117 "100" RESC1005X40N 141.151,37.605 r270 top
R118 "100" RESC1005X40N 141.111,29.614 r270 top
R119 "100" RESC1005X40N 141.111,27.742 r90 top
R120 "0" RESC1005X40N 54.995,95.08 r270 top
R121 "1k" RESC1608X55N 78.867,61.874 r180 top
R122 "1k" RESC1608X55N 75.15,61.777 r180 top
R123A "0" RESC1005X40N 58.242,78.236 r180 top (schematic designator R123)
R123B "0" RESC1005X40N 58.059,69.008 r0 top (schematic designator R123)
R124 "Undefined" RESC2012X60N 53.001,11.76 r180 top
R125 "1k" RESC1608X55N 78.13,65.862 r270 top
R126 "1k" RESC1608X55N 75.15,65.106 r180 top
R127 "0" RESC1005X40N 53.02,10.424 r180 top
R128 "49R9" RESC1005X40N 90.046,32.918 r180 bottom
R129 "1k" RESC1608X55N 78.275,68.436 r180 top
R130 "1k" RESC1608X55N 74.979,68.436 r180 top
R131 "49R9" RESC1005X40N 91.851,32.648 r90 bottom
R132 "49R9" RESC1005X40N 92.909,33.132 r90 bottom
R133 "1k" RESC1608X55N 78.1,71.898 r180 top
R134 "1k" RESC1608X55N 74.979,71.58 r180 top
R135 "0" RESC1608X55N 12.979,8.026 r180 top
R136 "49R9" RESC1005X40N 96.495,49.784 r270 bottom
R137 "1k" RESC1608X55N 77.975,75.687 r180 top
R138 "1k" RESC1608X55N 74.9,75.687 r180 top
R139 "10k" RESC1005X40N 106.156,38.296 r0 top
R140 "82k" RESC1608X55N 46.431,14.503 r180 bottom
R141 "1k" RESC1608X55N 77.963,78.669 r180 top
R142 "18k" RESC1005X40N 112.014,82.626 r90 top
R143 "18k" RESC1005X40N 112.014,84.5 r270 top
R144 "1k" RESC1608X55N 74.975,78.512 r180 top
R145 "220" RESC1608X55N 49.696,91.948 r180 top
R146 "24k" RESC1608X55N 50.579,17.094 r270 bottom
R147 "220" RESC1608X55N 78.1,83.241 r180 top
R148 "220" RESC1608X55N 74.979,83.241 r180 top
R149 "220" RESC1608X55N 78.05,86.666 r180 top
R150 "220" RESC1608X55N 74.979,86.041 r180 top
R151 "2k4" RESC1005X40N 80.589,6.25 r180 top
R152 "220" RESC1608X55N 90.445,6.5 r0 top
R153A "10k" RESC1005X40N 36.952,53.99 r270 top (schematic designator R153)
R153B "10k" RESC1005X40N 36.907,43.052 r270 top (schematic designator R153)
R154 "1k" RESC1608X55N 46.219,85.094 r0 bottom
R155 "220" RESC1608X55N 52.15,91.026 r270 top
R156 "5k1" RESC1005X40N 45.55,84.06 r0 top
R157 "33k" RESC1005X40N 45.825,94.412 r270 top
R158 "220" RESC1608X55N 45.336,86.864 r180 top
R159 "1k" RESC1608X55N 87.315,6.25 r180 top
R160 "1k" RESC1608X55N 93.334,6.384 r0 top
R161A "220" RESC1608X64N 43.427,80.059 r0 top (schematic designator R161)
R161B "220" RESC1608X64N 43.093,63.094 r0 top (schematic designator R161)
R162A "220" RESC1608X64N 43.468,77.043 r180 top (schematic designator R162)
R162B "220" RESC1608X64N 43.134,60.078 r180 top (schematic designator R162)
R163A "220" RESC1608X64N 43.468,75.534 r0 top (schematic designator R163)
R163B "220" RESC1608X64N 43.134,58.57 r0 top (schematic designator R163)
R164A "10" RESC1005X40N 41.419,52.642 r0 top (schematic designator R164)
R164B "10" RESC1005X40N 41.374,41.704 r0 top (schematic designator R164)
R165 "5k1" RESC1005X40N 53.735,85.575 r90 top
R166 "30" RESC1608X55N 44.25,16.3 r180 bottom
R167 "0" RESC1608X55N 59.461,52.065 r0 top
R168 "220" RESC1608X55N 53.646,26.487 r90 bottom
R169 "0" RESC1608X55N 58.961,41.026 r0 top
R170A "Undefined" RESC1608X55N 43.468,77.043 r180 bottom (schematic designator R170)
R170B "Undefined" RESC1608X55N 43.134,60.078 r180 bottom (schematic designator R170)
R171A "Undefined" RESC1608X55N 43.468,78.549 r180 bottom (schematic designator R171)
R171B "Undefined" RESC1608X55N 43.134,61.584 r180 bottom (schematic designator R171)
R172A "Undefined" RESC1608X55N 37.38,54.331 r270 bottom (schematic designator R172)
R172B "Undefined" RESC1608X55N 40.156,52.015 r180 bottom (schematic designator R172)
R173 "100" RESC1005X40N 145.847,49.852 r180 bottom
R174 "100" RESC1005X40N 145.923,32.121 r180 bottom
R175 "100" RESC1005X40N 146.227,25.636 r0 bottom
R176 "0" RESC1608X55N 94.717,43.51 r270 bottom
R177 "0" RESC1608X55N 94.844,38.659 r180 bottom
R178 "0" RESC1608X55N 108.255,39.446 r90 top
R179 "0" RESC1608X55N 109.855,39.484 r90 top
R180 "1k" RESC1608X55N 89.843,46.498 r0 bottom
R181 "1k" RESC1608X55N 89.843,44.974 r0 bottom
R182 "1k" RESC1608X55N 89.843,43.367 r0 bottom
R183 "1k" RESC1608X55N 89.843,41.905 r0 bottom
R184 "82k" RESC1608X55N 48.184,11.582 r90 bottom
R185 "49R9" RESC1005X40N 84.071,33.637 r0 bottom
R186 "49R9" RESC1005X40N 91.288,52.07 r270 bottom
R187 "49R9" RESC1005X40N 90.376,52.065 r270 bottom
R188 "49R9" RESC1005X40N 89.425,52.065 r270 bottom
R189 "49R9" RESC1005X40N 87.681,52.019 r270 bottom
R190 "27k" RESC1005X40N 104.644,26.919 r0 top
R191 "10k" RESC1005X40N 104.632,25.976 r180 top
R192 "1k3" RESC1608X55N 121.514,38.215 r270 top
R193 "18k" RESC1005X40N 121.235,36.124 r180 top
R194 "1k3" RESC1608X55N 137.524,19.637 r90 bottom
R195 "82k" RESC1608X55N 141.11,17.098 r180 bottom
R196 "33k" RESC1005X40N 138.46,22.195 r270 bottom
R197 "82k" RESC1608X55N 138.938,25.222 r0 bottom
R198 "10k" RESC1005X40N 105.686,35.494 r270 top
R199 "33" RESC1005X40N 26.352,21.545 r180 bottom
R200 "51" RESC1005X40N 30.275,28.575 r90 top
R201 "51" RESC1005X40N 30.225,31.237 r90 top
R202 "10k" RESC1005X40N 10.592,35.922 r180 top
R203 "10k" RESC1005X40N 35.607,29.94 r0 bottom
R204 "51k" RESC1005X40N 119.329,49.453 r270 top
R205 "24k" RESC1608X55N 128.549,66.116 r270 top
R206 "120k" RESC1608X55N 126.39,70.002 r270 top
R207 "49R9" RESC1005X40N 103.83,53.774 r270 top
R208 "8k2" RESC1005X40N 124.692,72.548 r180 top
R209 "100" RESC1005X40N 35.083,28.297 r0 top
R210 "100k" RESC1608X55N 128.82,34.214 r90 bottom
R211 "100k" RESC1608X55N 130.3,34.214 r90 bottom